# Altium PCB TC264MCU.PcbDoc (continued)
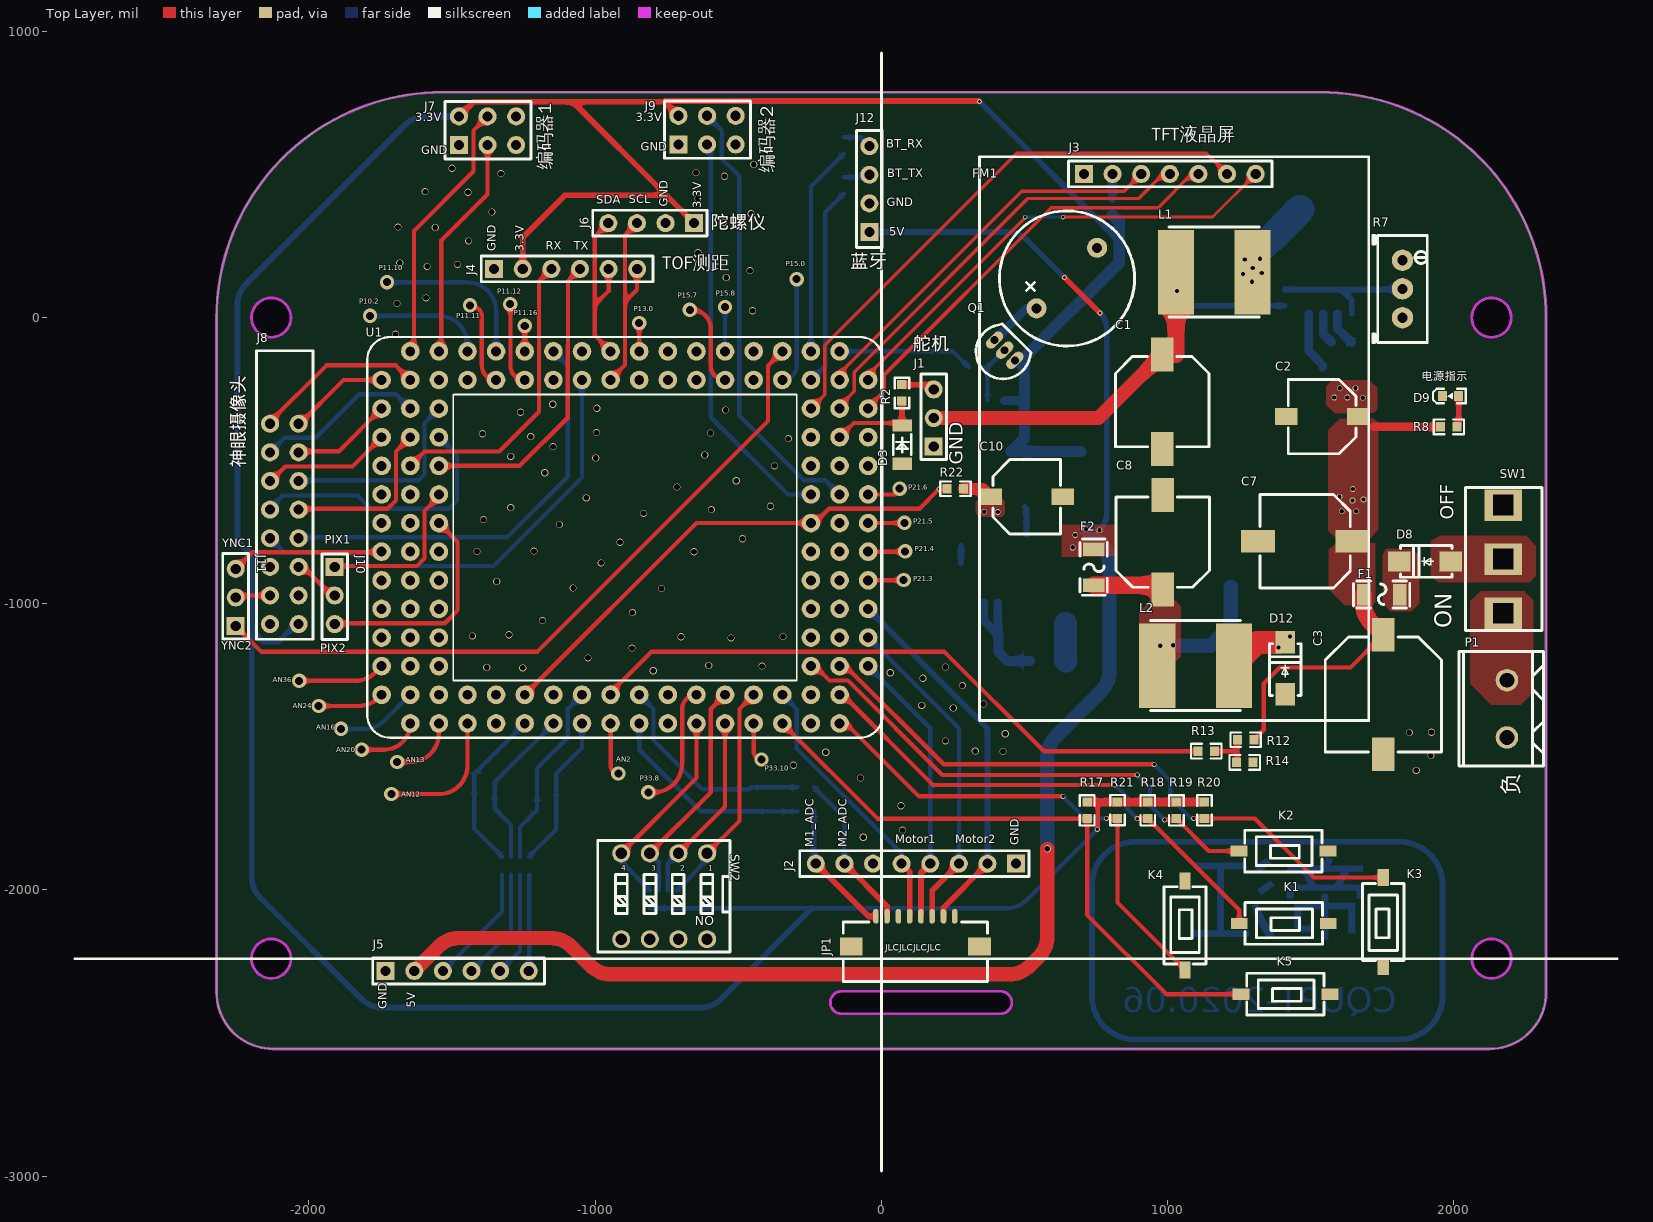
[diagram p0: Top Layer view]
## Footprints (in the part's own frame and the unit in brackets; to place one, negate y for a bottom-side part, rotate by r counter-clockwise, add the part's x,y. Pads: shape width x height; smd on the part's side, far side on the other; paste and mask are expansions set on the pad) (continued)
  silkscreen extent -3.43,-1.85 3.43,1.85, body extent -4,-1.8 4,1.9, height 2.6
TO-263_5 [mm]
  rect 4x1.2 smd: 1(-8.5,3.4) 2(-8.5,1.7) 3(-8.5,0) 4(-8.5,-1.7) 5(-8.5,-3.4)
  rect 10x10 smd: 6(1.6,0)
  silkscreen extent -4.41,-5 -4.03,5, body extent -9.4,-5 6.27,5, height 4.78
TO_92A [mm]
  oval 0.9x1.8 hole 0.7: 1(-1.27,0) 2(0,0) 3(1.27,0)
  silkscreen extent -2.41,-1.5 2.41,2.6, body extent -2.42,-1.49 2.38,2.44, height 7
VDG/S-04HG-R [mm]
  round 1.6 hole 1: 1(-3.81,-3.81) 2(-1.27,-3.81) 3(1.27,-3.81) 4(3.81,-3.81) 5(3.81,3.81) 6(1.27,3.81) 7(-1.27,3.81) 8(-3.81,3.81)
  silkscreen extent -5.84,-4.96 5.89,4.95, body extent -5.48,-4.82 5.68,5.08, height 7

## Part data
C1 C2 C3 C7 C8 C10: library part CAP_E_SMD, "贴片电解电容"
C4 C5 C6 C9 C11: library part CAP_0603
D8 D10 D11 D12: library part SS54
D9: library part LED_0603, "发光LED"
F1: library part JK-NSMD100-16V
FM1: "蜂鸣器"
J1 J10 J11: library part "Header 2.54_3"
J2: library part "Header 2.54_8"
J3: library part "Header 2.54_7"
J4 J5: library part "Header 2.54_6"
J6 J12: library part "Header 2.54_4"
J7 J9: library part "Header 2.54_2X3"
J8: library part "Header 2.54_2X10"
K1 K2 K3 K4 K5: "贴片按键 3*6*2.5"
L1 L2: library part Inductor
P1: "端子2P"
Q1: "三极管PNP"
R1 R2 R3 R4 R5 R6 R8 R9 R10 R11 R12 R13 R14 R15 R16 R17 R18 R19 R20 R21 R22 R23 R24: library part RES_0603
R7: library part RES_POT-3296W, "可调电阻3296W"
SW2: "DIP_4PX2*2.54"

## Via types
v1: diameter 25, hole 20, Top Layer to Bottom Layer, tented both sides, 93 vias
v2: diameter 20, hole 15, Top Layer to Bottom Layer, tented both sides, 28 vias
v3: diameter 50, hole 28, Top Layer to Bottom Layer, 22 vias
v4: diameter 18, hole 12, Top Layer to Bottom Layer, tented both sides, 13 vias
v5: diameter 15, hole 10, Top Layer to Bottom Layer, tented both sides, 2 vias

## Nets (pads, with @x,y where several pads share a name; then routed paths per layer and width w, separated by ;. In a path a pad name is that pad's centre, name@x,y a point inside that pad or via, vN(x,y) a via of type N, cw(c..) or ccw(c..) an arc to the next point about the centre after c; other vN are vias at no path point)
7.2V: C2.1 C3.1 C6.1 C7.1 F1.2 R8.2 R10.1 R11.1 R12.1 U2.4 U4.1 | length 1307.1
  Top Layer w15: R12.1 1336,-1440.48 1336,-1279 1392,-1223 1639.34,-1223 C3.1 ; C2.1@1665.98,-350.98 C2.1
  Top Layer w30: 1722,-382 R8.2
  Top Layer w60: F1.2 1685.01,-997.92 ccw(c1785.01,-997.92) 1714.3,-1068.63 C3.1
  Bottom Layer w30: U2.4 1494,-118 1543,-167 1543,-173
  other v2: 1609,-677 1659,-677 1646,-639 1685,-636 1601,-626 1647,-599 1682,-280 1583,-279 1628,-279 1602,-247 1657,-247
ADC_BAT: R13.2 U1.12 | length 2262.8
  Top Layer w15: U1.12 -945,-1317 -945,-1309 -804,-1168 221,-1168 568,-1515 R13.2
ADC_IN1: D4.1 RN1.8 U1.9 | length 542
  Bottom Layer w15: RN1.8 -1135.93,-1788.67 D4.1 -1135.93,-1592.93 -1046,-1503 U1.9
ADC_IN2: D5.1 RN1.7 U1.10 | length 655.1
  Bottom Layer w15: RN1.7 -1262.25,-1780.32 D5.1 -1202.93,-1574.89 -1096.02,-1467.98 -1096.02,-1368.02 U1.10
ADC_IN3: D6.1 RN1.6 U1.7 | length 574.2
  Bottom Layer w15: RN1.6 -1293.75,-1773.32 D6.1 -1351.07,-1623.07 U1.7
ADC_IN4: D7.1 RN1.5 U1.5 | length 578.5
  Bottom Layer w15: RN1.5 -1422.07,-1786.68 D7.1 -1422.07,-1594.07 U1.5
ADC_MOTOR1: D1.1 R1.1 U1.13 | length 733.7
  Bottom Layer w15: U1.13 -846,-1510 -630.93,-1725.07 D1.1 -378.07,-1726 R1.1
ADC_MOTOR1_IN: J2.8 JP1.1 R1.2 | length 471
  Top Layer w20: J2.8 -45,-2092 JP1.1
  Bottom Layer w20: R1.2 -236.26,-1900.74 J2.8
ADC_MOTOR2: D2.1 R3.1 U1.14 | length 756.9
  Bottom Layer w15: U1.14 -795.98,-1368.02 -795.98,-1477.02 -624.47,-1648.53 -462.47,-1648.53 -454.93,-1641 R3.1
ADC_MOTOR2_IN: J2.7 JP1.2 R3.2 | length 556.9
  Top Layer w20: J2.7 20.15,-2057.15 JP1.2
  Bottom Layer w15: R3.2 -129,-1747.52 J2.7
AN21: U1.2
BT_RX: R5.1 U1.63 | length 737.9
  Bottom Layer w15: U1.63 -246,457.26 R5.1
BT_TX: R6.1 U1.61 | length 698.9
  Bottom Layer w15: U1.61 -196.02,-168.02 -196.02,368.24 R6.1
BUZZ: R16.1 U1.62 | length 475.2
  Bottom Layer w15: U1.62 250,-118 R16.1
CSI_DAT2: J8.18 U1.92 | length 352.2
  Top Layer w15: J8.18@-2034,-373 -1879,-218 U1.92
CSI_DAT3: J8.3 U1.91 | length 597.7
  Top Layer w15: J8.3@-2139.5,-367.5 -1939,-167 -1697,-167 U1.91
CSI_DAT4: J8.17 U1.95 | length 351.7
  Top Layer w15: J8.17@-2036,-467 -1895,-467 U1.95
CSI_DAT5: J8.4 U1.94 | length 594.8
  Bottom Layer w15: J8.4 -2085,-420 -1976,-420 -1824,-268 -1696,-268 U1.94
CSI_DAT6: J8.16 U1.93 | length 699
  Bottom Layer w15: J8.16@-2036,-567.98 -1615.98,-567.98 -1596,-548 -1596,-368 U1.93
CSI_DAT7: J8.5 U1.98 | length 448.5
  Top Layer w15: J8.5@-2132,-569 -2083,-520 -1848,-520 U1.98
CSI_DAT8: J8.15 U1.97 | length 593.5
  Top Layer w15: J8.15@-2036,-667.98 -1725.3,-667.98 -1696.02,-638.7 -1696.02,-468.02 U1.97
CSI_DAT9: J8.6 U1.96 | length 953.5
  Bottom Layer w15: J8.6@-2138.5,-668.5 -2093,-623 -2090,-623 -2089,-622 -1830,-622 -1784.02,-667.98 -1510.98,-667.98 -1483,-640 -1483,-481 U1.96
CSI_HSYNC: J8.8
CSI_PIX: J8.13 J10.2 | length 165.8
  Top Layer w15: J8.13 -2020,-871 -1924,-967 J10.2@-1910,-967
CSI_PIX1: J10.1 U1.102 | length 572.1
  Top Layer w15: J10.1@-1912,-865 -1909.02,-867.98 -1622.98,-867.98 -1595.98,-840.98 -1595.98,-676.32 -1546,-626.34 U1.102
CSI_PIX2: J10.3 U1.105 | length 780
  Top Layer w15: J10.3@-1910,-1067.98 -1525.3,-1067.98 -1496.02,-1038.7 -1496.02,-1038.02 -1481,-1023 -1481,-783 U1.105
CSI_VSYNC: J8.9 J11.2 | length 132.8
  Top Layer w15: J11.2 -2249,-971 J8.9
  Bottom Layer w15: J8.9@-2143,-978 J8.9
CSI_VSYNC1: J11.3 U1.110 | length 536
  Top Layer w15: J11.3 -2198,-820 -1746,-820 U1.110
CSI_VSYNC2: J11.1 U1.64 | length 2495.2
  Top Layer w15: J11.1 -2166.02,-1167.98 -1202.98,-1167.98 -395.98,-360.98 -395.98,-167.98 U1.64
DC_POWERIN: P1.2 SW1.3
ENCODE1_DIR: J7.5 U1.89 | length 932.8
  Top Layer w15: U1.89 -1633,-105 -1633,303 -1425,511 -1425,654 J7.5
ENCODE1_LSB: J7.2 U1.88 | length 791.4
  Top Layer w15: U1.88 -1538,-110 -1538,269 -1376,431 J7.2
ENCODE2_DIR: J9.5 U1.48 | length 1560
  Bottom Layer w15: J9.5 -557,653 -557,627.29 -556.5,626.79 -558,625.29 -558,556 -496.02,494.02 -496.02,-342.98 -271.02,-567.98 -196.02,-567.98 U1.48
ENCODE2_LSB: J9.2 U1.49 | length 1427.8
  Bottom Layer w15: J9.2 -596.02,605 -596.02,-347.98 -326,-618 U1.49
GND: C1.2 C2.2 C3.2 C4.2 C5.2 C6.2 C7.2 C8.2 C9.1 C10.2 D1.2 D2.2 D3.2 D4.2 D5.2 D6.2 D7.2 D9.C D10.1 D12.1 FM1.2 J1.1 J2.1 J3.1 J4.1 J5.1 J6.2 J7.1 J8.10 J8.12 J9.1 J12.2 JP1.8 K1.A K2.A K3.A K4.A K5.A P1.1 R7.1 R14.2 R24.1 SW2.5 SW2.6 SW2.7 SW2.8 U1.40 U1.43 U2.7 U2.8 U3.1 U4.3 U4.5 U4.6 U5.1 U5.2
  other v1: -63,-1816 74,-1791 69,-1706 -73,-1609 1869,-1582 -307,-1564 1920,-1530 -194,-1519 425,-1516 328,-1515 224,-1479 433,-1454 1845,-1450 1922,-1449 251,-1364 141,-1355 357,-1350 283,-1286 145,-1260 31,-1241 -797,-1234 -1253,-1224 -1379,-1223 224,-1221 -417,-1218 -603,-1216 -1025,-1189 -871,-1155 -525,-1119 -700,-1115 -344,-1114 -1429,-1112 -1301,-1108 -1184,-1059 -870,-1031 -768,-947 -1077,-945 -1344,-922 -979,-857 -655,-818 -1413,-817 -1214,-816 -913,-785 -485,-773 -1125,-723 -1390,-706 -831,-684 -594,-671 -1295,-664 -387,-659 -1031,-630 -714,-592 -507,-570 -1176,-542 -373,-518 -998,-491 -1295,-485 -617,-480 -1147,-451 -325,-423 -1225,-416 -1394,-406 -597,-403 -995,-402 -1261,-331 -544,-323 -994,-317 -1148,-303 -1698,-58 -450,24 -1692,49 -1591,69 -542,140 -459,164 -1587,179 -1481,186 -1683,191 -641,227 -1442,268 -1559,315 -1689,316 -552,333 -455,363 -1361,369 -641,416 -1444,438 -1594,440 -548,494 -1329,503 -648,507 -1500,522 -446,535
IIC_SCL: J4.6 J6.3 U1.77 | length 718.5
  Top Layer w15: U1.77 -946,-216 -896,-166 -896,55 ; J4.6@-854,170 -854,97 -896,55 ; J6.3 -896,288 -896,55
IIC_SDA: J4.5 J6.4 U1.76 | length 635.1
  Top Layer w15: J6.4 -1001,283 -1001,45 ; J4.5 -953,93 -1001,45 ; U1.76 -1001,-63 -1001,45
KEY1: K1.B R18.1 U1.28 | length 1779.6
  Top Layer w15: U1.28 -135,-1318 182,-1635 184,-1633 v4(816,-1633) ; v4(894.26,-1750.74) R18.1 1250.49,-2070.23 K1.B
  Bottom Layer w15: v4(816,-1633) 858,-1675 858,-1714.48 v4(894.26,-1750.74)
KEY2: K2.B R19.1 U1.31 | length 1802.3
  Top Layer w15: U1.31 -231,-1218 -181.02,-1267.98 -117.02,-1267.98 213,-1598 v4(894,-1598) ; v4(990,-1755) 1026.74,-1755 R19.1 1144.26,-1864 K2.B
  Bottom Layer w15: v4(894,-1598) 939,-1643 939,-1704 v4(990,-1755)
KEY3: K3.B R20.1 U1.30 | length 2241
  Top Layer w15: U1.30 -125,-1218 218,-1561 v4(953,-1561) ; v4(1091,-1750) R20.1 1305,-1750 1511.49,-1956.49 K3.B
  Bottom Layer w15: v4(953,-1561) 1009,-1617 1009,-1677 1082,-1750 v4(1091,-1750)
KEY4: K4.B R21.1 U1.27 | length 1735.9
  Top Layer w15: U1.27 -123,-1418 132,-1673 v4(635,-1673) ; v4(786.26,-1749.74) R21.1 825,-2043.51 K4.B
  Bottom Layer w15: v4(635,-1673) 711.74,-1749.74 v4(786.26,-1749.74)
KEY5: K5.B R17.1 U1.23 | length 2191.3
  Top Layer w15: U1.23 -13.26,-1750.74 R17.1 719,-2087 996,-2364 K5.B
NetC8_1: C8.1 F2.1 L2.1 U4.4 | length 657.9
  Top Layer w60: F2.1 967.65,-935 C8.1
  Bottom Layer w50: v2(975,-1147) 1150,-1147 1221.21,-1075.79 U4.4
  other v2: 1020,-1145
NetC9_2: C9.2 F3.1 U5.3 U5.4 | length 428.1
  Bottom Layer w20: C9.2@407,-1106.74 C9.2
  Bottom Layer w30: U5.4 357,-1056.74 407,-1106.74 U5.3
  Bottom Layer w35: C9.2 409.26,-1169.26 440,-1200 F3.1
NetC10_1: C10.1 C11.1 R22.1 R23.2 U5.5 U5.6 U5.7 | length 105.9
  Top Layer w40: R22.1 354.03,-598 C10.1
  other v2: 407,-679 360,-678
NetC11_2: C11.2 R24.2 | length 59.5
  Bottom Layer w20: R24.2 C11.2
NetD8_1: D8.1 SW1.2
NetD8_2: D8.2 F1.1
NetD9_A: D9.A R8.1 | length 110.4
  Top Layer w20: R8.1 2017.48,-376.26 D9.A
NetD10_2: D10.2 L1.1 U2.5 U2.6 | length 304.6
  Bottom Layer w100: 1295,143 1295,152 1295,210 D10.2
  other v2: 1295,125 1264,152 1329,156 1298,173 1270,203 1323,206
NetD11_1: D11.1 F3.2 | length 131.8
  Bottom Layer w80: D11.1 643,-1198.01 F3.2
NetD12_2: D12.2 L2.2 U4.2 | length 189.7
  Top Layer w80: L2.2 1312.96,-1134.9 D12.2@1388,-1134.9
  other v2: 1388,-1153 1428,-1114
NetFM1_1: FM1.1 Q1.3 | length 192.5
  Bottom Layer w30: Q1.3 506.51,32.22 FM1.1
NetJ1_3: J1.3 R2.2 | length 117.8
  Top Layer w20: R2.2 166.52,-234.52 J1.3
NetJ3_2: J3.2 R4.2 | length 86.4
  Bottom Layer w30: R4.2 807,501 J3.2
NetJ5_3: J5.3 RN1.4 | length 422.1
  Bottom Layer w15: J5.3 -1325.24,-2076.24 RN1.4
NetJ5_4: J5.4 RN1.3 | length 393.8
  Bottom Layer w15: J5.4 -1293.75,-2144.75 RN1.3
NetJ5_5: J5.5 RN1.2 | length 365.4
  Bottom Layer w15: J5.5 -1262.25,-2213.25 RN1.2
NetJ5_6: J5.6 RN1.1 | length 337
  Bottom Layer w15: J5.6 -1230.76,-2281.76 RN1.1
NetJ12_3: J12.3 R6.2 | length 92.4
  Bottom Layer w15: R6.2 -50.26,490.74 J12.3
NetJ12_4: J12.4 R5.2 | length 101.7
  Bottom Layer w15: R5.2 -72.74,629.74 J12.4
NetQ1_2: Q1.2 R15.2 R16.2 | length 211.6
  Bottom Layer w15: R15.2 371.26,-181.78 R16.2 371,-174 Q1.2
NetR7_2: R7.2 R9.2 U2.1 | length 512.4
  Bottom Layer w20: R9.2 1607.52,98.48 ; U2.1 1644,62 1607.52,98.48 ; R7.2 1819.09,98.48 1607.52,98.48
NetR10_2: R10.2 U2.2 | length 120.8
  Bottom Layer w30: U2.2 1594,-38.52 R10.2
NetR11_2: R11.2 U2.3 | length 110.5
  Bottom Layer w30: U2.3 1544,-56.52 R11.2
NetR12_2: R12.2 R13.1 R14.1 | length 160.5
  Top Layer w15: R13.1 1244,-1515 ; R14.1 1244,-1551 1244,-1515 ; R12.2 1244,-1515
NetR23_1: R23.1 U5.8 | length 98.6
  Bottom Layer w20: R23.1 507,-668.26 U5.8
P00.2: U1.104
P00.3: U1.103
P00.5: U1.107
P00.6: U1.106
P00.9: U1.109
P02.8: U1.101
P10.2: U1.86 | length 422.1
  Bottom Layer w15: v3(-1787,6) -1546,6 cw(c-1546,-94) -1446,-94 U1.86
P11.2: J8.7 U1.79 | length 1599.2
  Bottom Layer w15: J8.7 -2087,-820 -1852,-820 -1803.98,-868.02 -1355.02,-868.02 -1046,-559 U1.79
P11.3: J8.14 U1.80 | length 1487.8
  Bottom Layer w15: J8.14 -2032.98,-767.98 -1307.98,-767.98 -1096.02,-556.02 -1096.02,-167.98 U1.80
P11.6: U1.82 | length 89
  Top Layer w15: U1.82 v3(-1246,-29)
P11.9: U1.81
P11.10: U1.84 | length 581.7
  Top Layer w15: v3(-1727,124) cw(c-1726,124) v3@-1726,125
  Bottom Layer w15: v3(-1727,124) -1727,123 -1446,123 cw(c-1446,23) -1346,23 U1.84
P11.11: U1.85 | length 312.9
  Top Layer w15: v3(-1437,43) cw(c-1437,2) -1396,2 -1396,-168 ccw(c-1346,-168) U1.85
P11.12: U1.83 | length 303.3
  Top Layer w15: v3(-1297,47) -1297,50 cw(c-1297,48.98) -1295.98,48.98 -1295.98,-168.02 ccw(c-1246,-168.02) U1.83
  Bottom Layer w15: v3@-1299,45 ccw(c-1299,47) v3(-1297,47)
PWM_MOTOR1+: J2.5 JP1.4 U1.24 | length 958.3
  Top Layer w20: J2.5 98.89,-1935.89 JP1.4
  Bottom Layer w15: U1.24 -296,-1368 -296,-1506 71,-1873 J2.5
PWM_MOTOR1-: J2.4 JP1.5 U1.29 | length 977.4
  Top Layer w20: JP1.5 138.26,-1940.74 J2.4
  Bottom Layer w15: U1.29 171,-1435 J2.4
PWM_MOTOR2+: J2.3 JP1.6 U1.32 | length 1144
  Top Layer w20: JP1.6 177.63,-2001.37 J2.3
  Bottom Layer w15: U1.32 271,-1435 J2.3
PWM_MOTOR2-: J2.2 JP1.7 U1.35 | length 1310.5
  Top Layer w20: JP1.7 217,-2062 J2.2
  Bottom Layer w20: U1.35 371,-1435 J2.2
PWM_SERVOMOTOR: D3.1 R2.1 U1.54 | length 326.1
  Top Layer w15: U1.54 -96,-368 63.93,-368 D3.1@72,-376.07
  Top Layer w20: D3.1@72,-376.07 R2.1
SW1: RN2.4 SW2.1 U1.22 | length 810
  Top Layer w15: SW2.1 -495.98,-1758.98 -495.98,-1367.98 U1.22
  Bottom Layer w15: RN2.4 -609,-1895.49 SW2.1 ; SW2.1@-604.5,-1890.99 SW2.1@-604.5,-1875.23
SW2: RN2.3 SW2.2 U1.19 | length 665.9
  Top Layer w15: SW2.2 -546,-1709 U1.19
  Bottom Layer w15: RN2.3 -746,-1909 SW2.2
SW3: RN2.2 SW2.3 U1.20 | length 805
  Top Layer w15: SW2.3 -596,-1659 -596,-1368 U1.20
  Bottom Layer w15: SW2.3 -777.5,-1903.5 RN2.2
SW4: RN2.1 SW2.4 U1.17 | length 733.4
  Top Layer w15: SW2.4 -646,-1609 U1.17
  Bottom Layer w15: SW2.4 -909,-1901.01 RN2.1
TFT_CS: J3.3 U1.60 | length 1365.7
  Top Layer w12: U1.60 -146,-195 491,442 848,442 J3.3
TFT_D/C: J3.6 U1.58 | length 1954.6
  Top Layer w12: U1.58 -197.52,-269.52 -197.52,-96.52 473,574 1136,574 J3.6
TFT_RST: J3.7 U1.59 | length 1669
  Top Layer w10: U1.59@-53,-207 v5@501,347 ; v5(635,351) 1157,351 J3.7
  Bottom Layer w10: v5(503,351) v5(635,351) ; J3.7@1290,502 J3.7
TFT_SCK: J3.4 U1.57 | length 1538.2
  Top Layer w12: U1.57 -146,-309 -94.48,-257.48 -94.48,-190.48 512,416 899,416 985,502 J3.4
TFT_SDI: J3.5 U1.56 | length 1530
  Top Layer w12: U1.56 -46,-313 11,-256 11,-199 594,384 967,384 1085,502 J3.5
TOF_RXD: J4.3 U1.100 | length 1045.1
  Top Layer w15: U1.100 -1596.02,-468.02 -1335.02,-468.02 -1196,-329 -1196,127 J4.3
TOF_TXD: J4.4 U1.99 | length 1057.4
  Top Layer w15: U1.99 -1264,-518 -1095.98,-349.98 -1095.98,-96.32 -1095,-95.34 -1095,128 J4.4
VCC3.3_MCU: R22.2 U1.6 U1.46 | length 3520.3
  Top Layer w15: U1.6 -646,-718 U1.46 -233,-718 -182.98,-667.98 133.02,-667.98 v4(202,-599) 203,-598 R22.2
  Bottom Layer w15: U1.6 -646,-718 U1.46 -233,-718 -183.02,-668.02 132.98,-668.02 v4(202,-599)
VCC_3.3V: C5.1 J4.2 J6.1 J7.6 J8.11 J9.6 Q1.1 R4.1 R15.1 R17.2 R18.2 R19.2 R20.2 R21.2 RN2.5 RN2.6 RN2.7 RN2.8 U3.2 U3.4 | length 13001.9
  Top Layer w15: v4(754.5,-1788.5) ccw(c750.88,-1784.88) 756,-1784.88 756,-1693.26
  Top Layer w20: J7.6 -1424.5,754.5 -1078.5,754.5 ; J4.2 -1253,280 -1106,427 -751,427 ; J9.6 -758.5,754.5 ; J6.1 -751,427 ; v4@339.5,756.5 -756.5,756.5 -758.5,754.5 ; -1078.5,754.5 -758.5,754.5 ; -1078.5,754.5 -751,427
  Top Layer w30: R17.2 756,-1693.26 R18.2 R19.2 1128.26,-1693.26 R20.2
  Bottom Layer w15: RN2.8 RN2.5 -243,-2064 437.58,-2064 ccw(c437.58,-1964) 508.29,-2034.71 v4(754.5,-1788.5)
  Bottom Layer w20: J8.11 -2045,-1071 -2106,-1132 -2160,-1132 -2200,-1092 ; J7.6 -1592.58,703 ccw(c-1592.58,603) -1663.29,673.71 -2220.71,116.29 ccw(c-2150,45.58) -2250,45.58 -2250,-779 -2200,-829 -2200,-1092 ; -243,-2064 -560.71,-2381.71 cw(c-631.43,-2311) -631.43,-2411 -1744.58,-2411 cw(c-1744.58,-2311) -1815.29,-2381.71 -2170.71,-2026.29 cw(c-2100,-1955.58) -2200,-1955.58 -2200,-1092 ; v4(343,755) 831,267 831,259 ; Q1.1 500.26,-183.26
  Bottom Layer w30: R15.1 498.26,-290 C5.1
  Bottom Layer w40: U3.2 U3.4 500.26,-420.69 C5.1 500.26,-183.26 500.26,-138.74 831,192 831,259 ; R4.1 824.52,341 831,341 831,267
VCC_5V: C4.1 D11.2 F2.2 J5.2 J12.1 U3.3 | length 5595.2
  Top Layer w20: v4(640,140) v4(764,16)
  Top Layer w50: J5.2 -1546.29,-2197.29 cw(c-1475.58,-2268) -1475.58,-2168 -1154.42,-2168 cw(c-1154.42,-2268) -1083.71,-2197.29 -1015.29,-2265.71 ccw(c-944.58,-2195) -944.58,-2295 447.58,-2295 ccw(c447.58,-2195) 518.29,-2265.71 550.71,-2233.29 ccw(c480,-2162.58) 580,-2162.58 v1@580,-1857
  Bottom Layer w20: J12.1 439.58,299 cw(c439.58,199) 510.29,269.71 v4(640,140) ; v2(762,-743) ccw(c699.23,-680.23) 788,-680.23 788,-41.94 ccw(c706.06,-41.94) v4(764,16) v4@765.58,16
  Bottom Layer w50: v1(580,-1856) 580,-1534.42 cw(c680,-1534.42) 609.29,-1463.71 767.71,-1305.29 ccw(c697,-1234.58) 797,-1234.58 797,-863.42 ccw(c697,-863.42) 767.71,-792.71 v2(715,-740)
  other v2: 669,-803 678,-760
VCC_SERVOMOTOR: C1.1 J1.2 L1.2 R9.1 | length 1624.8
  Top Layer w50: J1.2 758.65,-351 C1.1
  Top Layer w60: C1.1 1029.35,-128.65 1029.35,158.65 L1.2
  Bottom Layer w20: v2(1033,93) 1085,41 R9.1
pads on no net: J2.6 J7.3 J7.4 J8.1 J8.2 J8.19 J8.20 J9.3 J9.4 JP1.3 JP1.9 JP1.10 R7.3 SW1.1 U1.1 U1.3 U1.4 U1.8 U1.11 U1.15 U1.16 U1.18 U1.21 U1.25 U1.26 U1.33 U1.34 U1.36 U1.37 U1.38 U1.39 U1.41 U1.42 U1.44 U1.45 U1.47 U1.50 U1.51 U1.52 U1.53 U1.55 U1.65 U1.66 U1.67 U1.68 U1.69 U1.70 U1.71 U1.72 U1.73 U1.74 U1.75 U1.78 U1.87 U1.90 U1.108 U1.111 U1.112 U1.113 U1.114 U1.115 U1.116 U1.117 U1.118 U1.119 U1.120 U1.121 U1.122 U1.123 U1.124 U1.125 U1.126 U1.127
copper on no net: | length 7577.4
  Top Layer w15: v3(-2034,-1269) -1838.42,-1269 ccw(c-1838.42,-1169) -1767.71,-1239.71 -1746,-1218 ; v3(-1966,-1357) -1826.42,-1357 ccw(c-1826.42,-1257) -1755.71,-1327.71 -1746,-1318 ; v3(-1816,-1510) -1738,-1510 ccw(c-1738,-1418) -1646,-1418 ; v3(-1712,-1665) -1546,-1665 ccw(c-1546,-1565) -1446,-1565 -1446,-1418 ; v3(-1692,-1553) -1646,-1553 ccw(c-1646,-1453) -1546,-1453 -1546,-1418 ; -946,-1418 -946,-1566 ccw(c-919,-1566) v3(-919,-1593) ; -846,-118 -846,-21 v3(-846,-19) ; v3(-814,-1659) -795.98,-1659 ccw(c-795.98,-1559) -695.98,-1559 -695.98,-1367.98 cw(c-646,-1367.98) -646,-1318 ; v3(-669,27) -662,27 cw(c-662,-39.02) -595.98,-39.02 -595.98,-168.02 ccw(c-546,-168.02) -546,-218 ; v3@-548,39 cw(c-548,37) v3(-546,37) ; -446,-1418 -446,-1517 ccw(c-419,-1517) v3(-419,-1544) ; -46,-918 87,-918 ccw(c87,-917) 88,-917 v3(78,-917) ; -46,-818 83,-818 v3(83,-817) ; -46,-718 80,-718 ccw(c80,-717) v3(81,-717) ; -46,-618 44,-618 ccw(c44,-598) v3(64,-598)
  Bottom Layer w15: v3(-1888,-1437) -1806.42,-1437 ccw(c-1806.42,-1337) -1735.71,-1407.71 -1646,-1318 ; v3(-846,-19) cw(c-845,-19) v3@-845,-18 ; v3@-671,29 ccw(c-669,29) v3(-669,27) ; -546,-118 v3(-546,37) ; -346,-218 ccw(c-346,-168.02) -296.02,-168.02 v3(-296,134)
  Bottom Layer w20: 736,-1987 736,-2372 ccw(c886,-2372) 886,-2522 1811,-2522 ccw(c1811,-2372) 1961,-2372 1961,-1987 ; 736,-1982 cw(c886,-1982) 886,-1832 1811,-1832 cw(c1811,-1982) 1961,-1982

## Polygon pours and split planes (outlines as drawn)
NetC10_1 on Top Layer "Top Layer-No Net" (solid, remove dead copper, pour order 34): 340,-633 422,-633 423,-634 431,-642 431,-680 431,-687 422,-696 348,-696 341,-696 332,-687 329,-684 329,-645 329,-643 342,-630
NetC8_1 on Top Layer "Top Layer-No Net" (solid, remove dead copper, pour order 28): 1023,-979 1023,-985 1041,-1003 1047,-1009 1047,-1133 1047,-1185 992,-1240 987,-1245 937,-1245 918,-1245 913,-1240 901,-1228 901,-1066 901,-1027 943,-985 947,-981 973,-981
7.2V on Top Layer "Top Layer-No Net" (solid, remove dead copper, pour order 26): 1692,-335 1694,-333 1719,-333 1720,-333 1729,-324 1732,-321 1732,-250 1732,-246 1707,-221 1705,-219 1605,-219 1576,-219 1564,-231 1555,-240 1555,-271 1555,-306 1582,-333 1584,-335 1629,-335
7.2V on Top Layer "Top Layer-No Net" (solid, remove dead copper, pour order 24): 1588,-773 1588,-770 1562,-744 1561,-743 1561,-687 1561,-394 1597,-358 1602,-353 1711,-353 1721,-353 1734,-366 1737,-369 1737,-408 1737,-741 1704,-774
7.2V on Top Layer "Top Layer-No Net" (solid, remove dead copper, pour order 22): 1587,-789 1564,-812 1564,-868 1564,-949 1609,-994 1620,-1005 1710,-1005 1715,-1005 1722,-998 1725,-995 1725,-789
VCC_5V on Top Layer "Top Layer-No Net" (solid, remove dead copper, pour order 18): 780,-832 777,-835 631,-835 631,-725 629,-723 713,-723 819,-723 820,-722 820,-832
DC_POWERIN on Top Layer "Top Layer-No Net" (solid, remove dead copper, pour order 6): 2094,-957 2248,-957 2254,-963 2278,-987 2278,-1024 2278,-1308 2258,-1328 2234,-1352 2183,-1352 2130,-1352 2077,-1299 2058,-1280 2058,-989
NetD8_2 on Top Layer "Top Layer-No Net" (solid, remove dead copper, pour order 4): 1764,-808 1855,-808 1866,-819 1880,-833 1880,-988 1880,-1000 1857,-1023 1854,-1026 1784,-1026 1779,-1026 1759,-1006 1752,-999 1752,-828
NetD8_1 on Top Layer "Top Layer-No Net" (solid, remove dead copper, pour order 2): 1949,-764 1950,-763 2076,-763 2253,-763 2282,-792 2286,-796 2286,-838 2286,-904 2267,-923 2265,-925 2172,-925 1944,-925 1922,-903 1920,-901 1920,-780
NetC10_1 on Bottom Layer "Top Layer-No Net" (solid, remove dead copper, pour order 32): 294,-757 456,-757 457,-758 470,-745 470,-670 470,-660 461,-651 460,-650 390,-650 342,-650 339,-653 304,-688 288,-688 278,-688 259,-707 258,-708 258,-757
VCC_5V on Bottom Layer "Top Layer-No Net" (solid, remove dead copper, pour order 20): 654,-535 654,-666 655,-667 654,-668 654,-738 654,-739 630,-763 605,-788 605,-849 605,-927 609,-931 610,-932 671,-932 672,-932 709,-895 792,-812 792,-672 792,-631 792,-587 739,-534
NetD10_2 on Bottom Layer "Top Layer-No Net" (solid, remove dead copper, pour order 16): 1543,206 1485,206 1455,206 1430,231 1421,240 1421,347 1421,412 1423,414 1425,416 1504,416 1505,416 1530,391 1561,360 1561,255 1561,216 1562,215
7.2V on Bottom Layer "Top Layer-No Net" (solid, remove dead copper, pour order 14): 1554,-124 1691,-124 1715,-148 1731,-164 1731,-302 1553,-302 1512,-261 1512,-126
7.2V on Bottom Layer "Top Layer-No Net" (solid, remove dead copper, pour order 12): 1556,-663 1557,-663 1574,-646 1578,-642 1578,-608 1578,-602 1607,-573 1616,-564 1712,-564 1712,-566 1718,-572 1722,-576 1722,-686 1722,-692 1680,-734 1552,-862 1552,-947 1552,-962 1489,-1025 1487,-1023 1417,-1023 1397,-1023 1396,-1022 1396,-860 1396,-841 1432,-805 1436,-809 1481,-809 1481,-805 1514,-772 1521,-765 1521,-664
NetD12_2 on Bottom Layer "Top Layer-No Net" (solid, remove dead copper, pour order 10): 1330,-862 1379,-862 1380,-863 1382,-865 1382,-1023 1382,-1034 1411,-1063 1445,-1097 1445,-1170 1370,-1170 1368,-1168 1329,-1129 1329,-1021

## Keep-outs
Keep-Out Layer:
  circle w10: c-2131.89,-2240.16 r68.9
  circle w10: c2131.89,0 r68.9
  circle w10: c-2131.89,0 r68.9
  circle w10: c2131.89,-2240.16 r68.9
  lines w10: -2125.98,-2555.12 2126,-2555.12 ccw(c2126,-2358.27) 2322.85,-2358.27 2322.83,0 ccw(c1535.43,0) 1535.43,787.4 -1535.43,787.4 ccw(c-1535.43,0) -2322.83,0 -2322.83,-2358 ccw(c-2125.98,-2358) -2125.98,-2554.85 ; -139,-2432.74 cw(c-139,-2393.37) -139,-2354 416.37,-2354 cw(c416.37,-2393.37) 416.37,-2432.74 -139,-2432.74

## Other copper
Bottom Layer:
  text "帝江" at 1711,-2222 h400
  text "CQUPT-2020.06" at 1801,-2457 h150

## Silkscreen, mask and mechanical layers (free items; w line width, h text height)
Top Overlay:
  lines w10: -2818,-2240.16 2571,-2240.16 ; 0,-2982 0,925 ; 343,-1408 1703,-1408 1703,562 343,562 343,-1408
  text "3.3V" at -1629,676 h50
  text "3.3V" at -858,675 h50
  text "TFT液晶屏" at 944,602 h80
  text "BT_RX" at 18,583 h50
  text "GND" at -840,572 h50
  text "GND" at -1607,561 h50
  text "编码器1" at -1138,516 h80 r90
  text "编码器2" at -362,506 h80 r90
  text "BT_TX" at 20,480 h50
  text "SCL" at -883,389 h50
  text "SDA" at -997,388 h50
  text "GND" at -736,387 h50 r90
  text "3.3V" at -618,382 h50 r90
  text "GND" at 19,378 h50
  text "陀螺仪" at -596,294 h80
  text "5V" at 27,276 h50
  text "GND" at -1337,231 h50 r90
  text "3.3V" at -1239,230 h50 r90
  text "TX" at -1074,227 h50
  text "RX" at -1173,226 h50
  text "P15.0" at -334,172 h30
  text "P11.10" at -1757,159 h30
  text "蓝牙" at -109,159 h80
  text "TOF测距" at -765,154 h80
  text "P11.12" at -1342,76 h30
  text "P15.8" at -578,70 h30
  text "P15.7" at -711,62 h30
  text "P10.2" at -1824,42 h30
  text "P13.0" at -865,16 h30
  text "P11.16" at -1285,1 h30
  text "P11.11" at -1485,-10 h30
  text "舵机" at 110,-130 h80
  text "电源指示" at 1889,-230 h50
  text "GND" at 300,-514 h80 r90
  text "神眼摄像头" at -2208,-524 h80 r90
  text "P21.6" at 94,-609 h30
  text "OFF" at 2016,-706 h80 r90
  text "P21.5" at 112,-727 h30
  text "PIX1" at -1945,-801 h50
  text "YNC1" at -2303,-813 h50
  text "P21.4" at 116,-824 h30
  text "P21.3" at 111,-929 h30
  text "ON" at 2012,-1085 h100 r90
  text "YNC2" at -2307,-1171 h50
  text "PIX2" at -1961,-1179 h50
  text "AN36" at -2126,-1281 h30
  text "AN24" at -2057,-1372 h30
  text "AN16" at -1975,-1447 h30
  text "AN20" at -1905,-1525 h30
  text "AN2" at -927,-1559 h30
  text "AN13" at -1662,-1560 h30
  text "P33.10" at -407,-1590 h30
  text "P33.8" at -845,-1626 h30
  text "负" at 2246,-1670 h100 r90
  text "AN12" at -1678,-1681 h30
  text "GND" at 491,-1844 h50 r90
  text "Motor1" at 49,-1847 h50
  text "Motor2" at 258,-1848 h50
  text "M1_ADC" at -226,-1851 h50 r90
  text "M2_ADC" at -111,-1851 h50 r90
  text "JLCJLCJLCJLC" at 14,-2221 h39.37
  text "5V" at -1619,-2411 h50 r90
  text "GND" at -1718,-2417 h50 r90
Bottom Paste:
  lines w20: 736,-2372 ccw(c886,-2372) 886,-2522 1811,-2522 ccw(c1811,-2372) 1961,-2372 1961,-1982 ccw(c1811,-1982) 1811,-1832 886,-1832 ccw(c886,-1982) 736,-1982 736,-2372
  text "帝江" at 1711,-2222 h400
  text "CQUPT-2020.06" at 1801,-2457 h150
Bottom Solder:
  lines w20: 736,-2372 ccw(c886,-2372) 886,-2522 1811,-2522 ccw(c1811,-2372) 1961,-2372 1961,-1982 ccw(c1811,-1982) 1811,-1832 886,-1832 ccw(c886,-1982) 736,-1982 736,-2372
  text "帝江" at 1711,-2222 h400
  text "CQUPT-2020.06" at 1801,-2457 h150

## Text inside footprints (layer, text, board x,y; h text height)
SW2: Top Overlay "ON" at -583,-2092.25 h31.5 r180; Top Overlay "1" at -605.2,-1932.64 h19.68; Top Overlay "2" at -703,-1932.84 h19.68; Top Overlay "3" at -804.1,-1932.34 h19.68; Top Overlay "4" at -909,-1932 h19.68